# Altium PCB Main Board.PcbDoc (part 1 of 2) (continued)
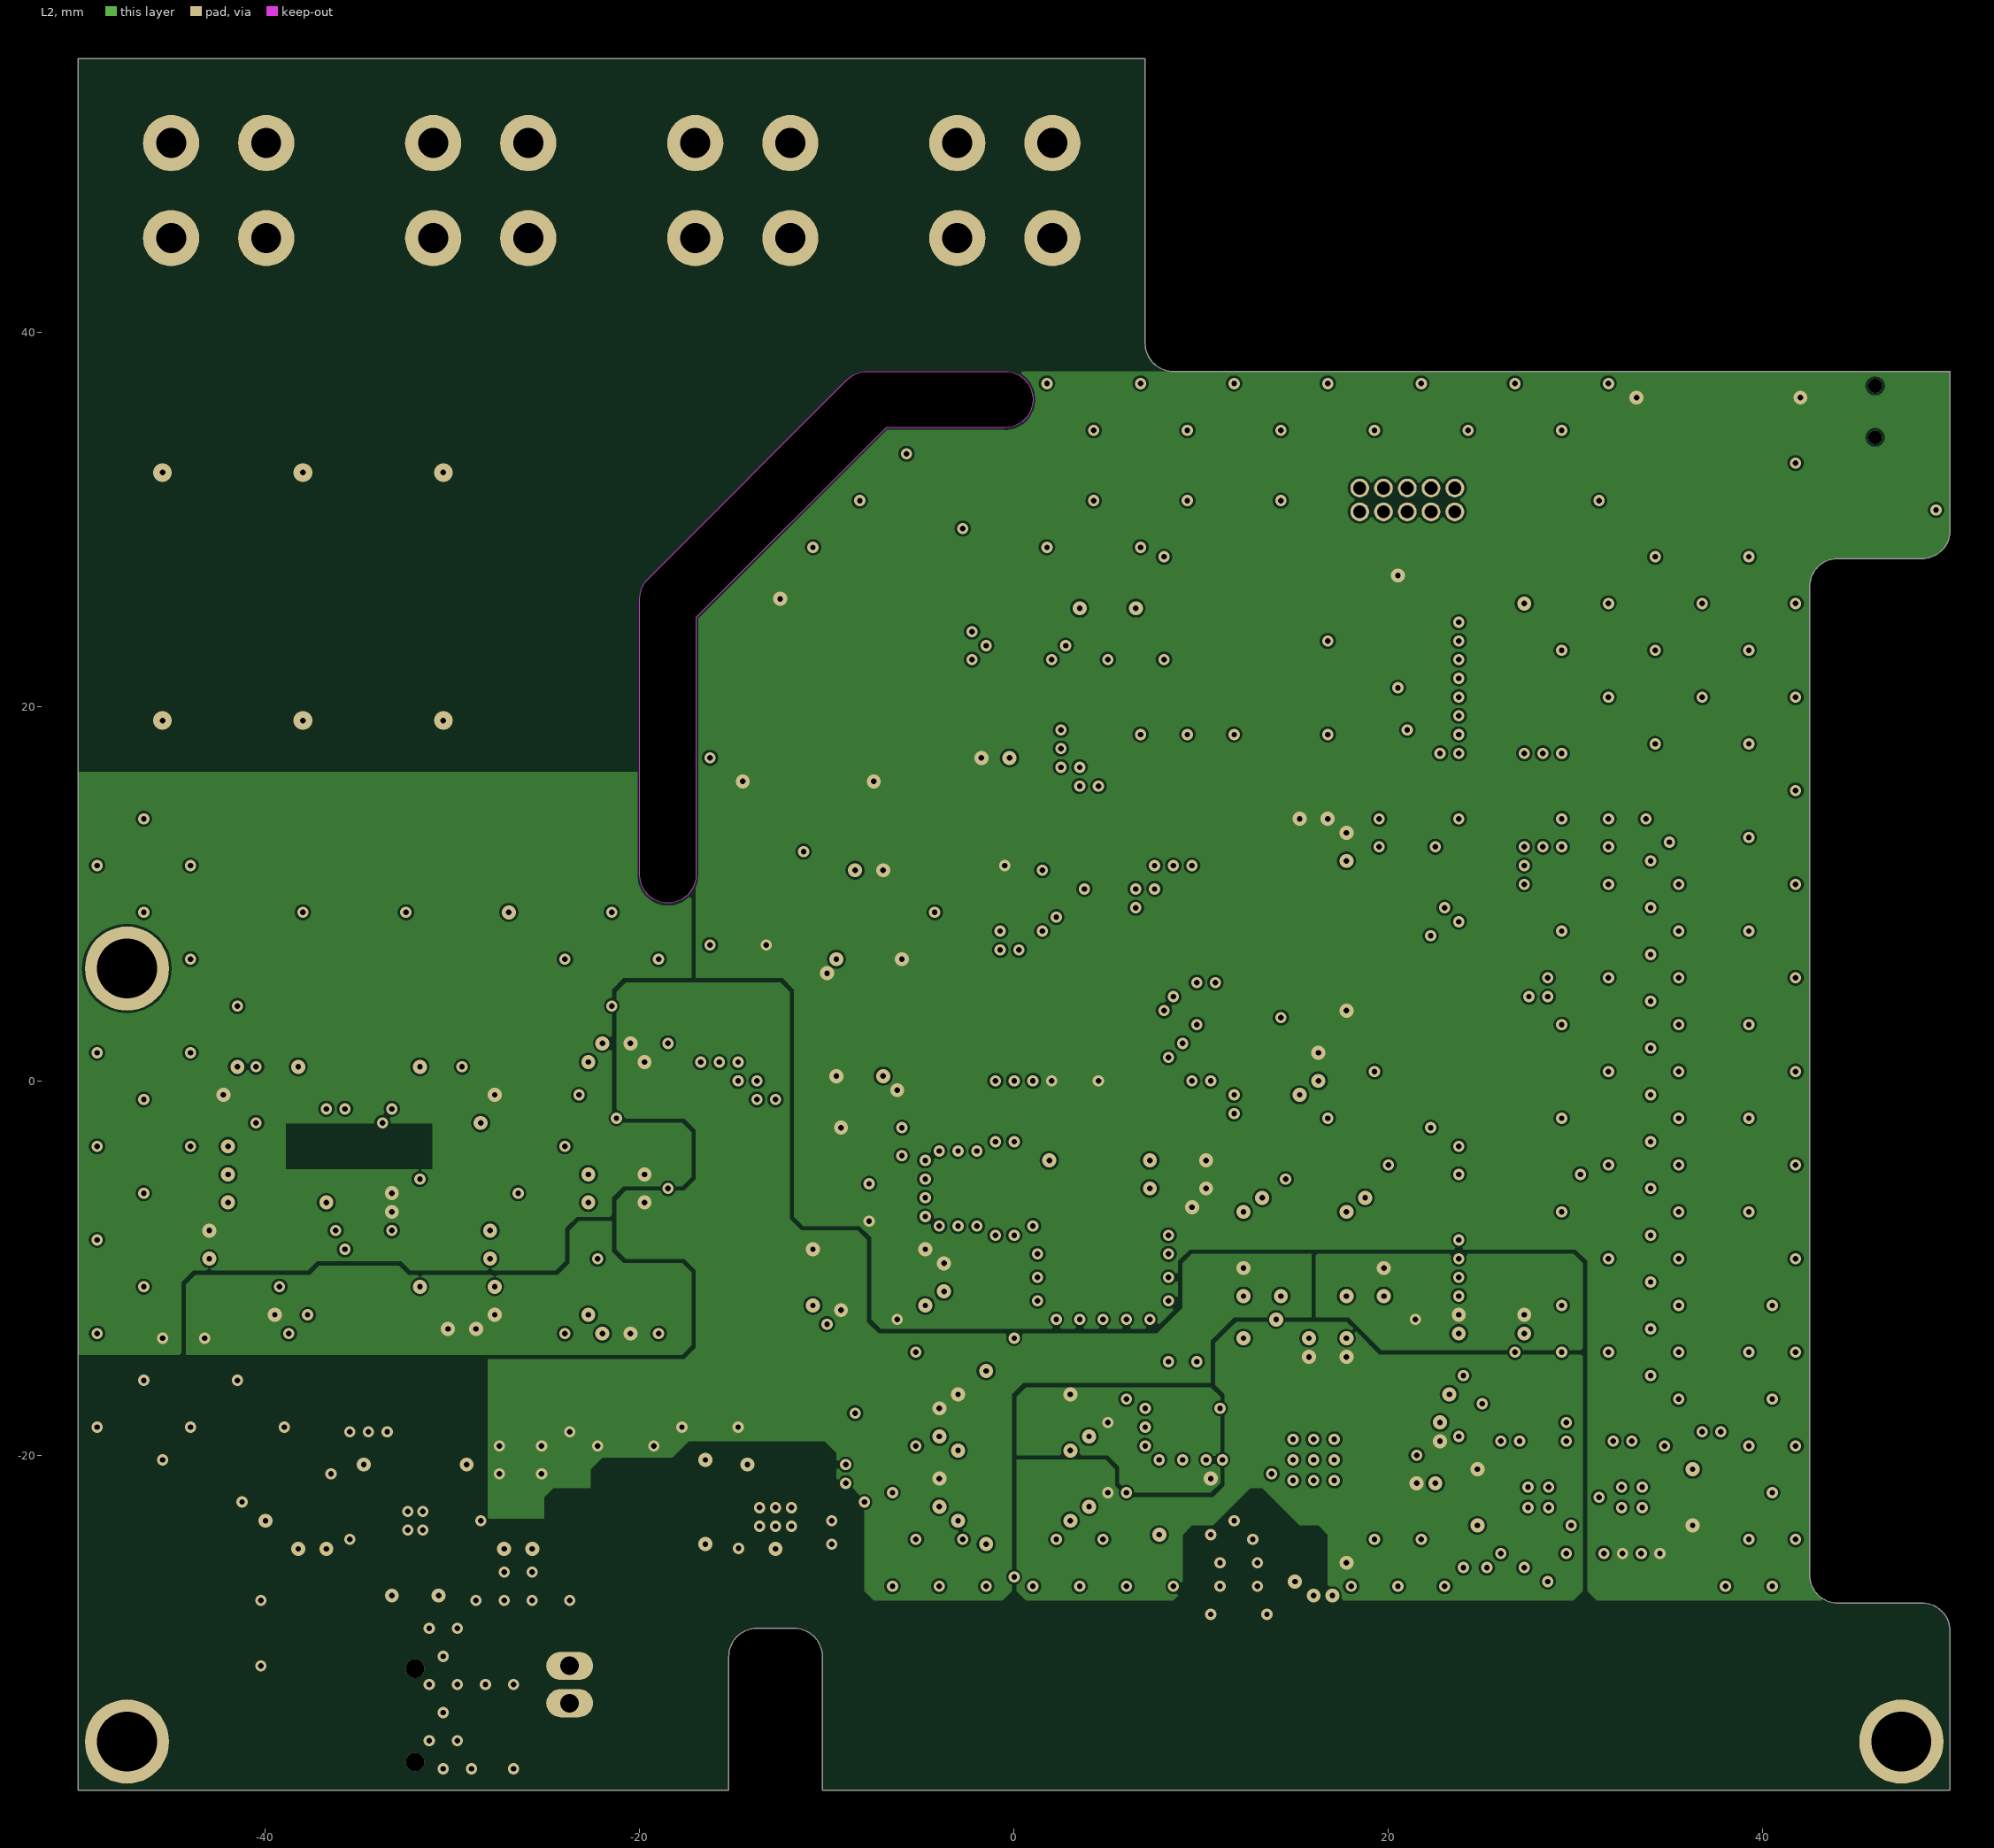
[diagram p3: L2]

## Layer stack, top to bottom
Top Solder: solder mask 0.0102, Solder Resist, Dk 3.5
Top Layer: signal copper 0.0356
Dielectric 1: core 0.2, FR-4, Dk 4.2
L1: signal copper 0.036
Dielectric 2: prepreg 1.2, FR-4, Dk 4.2
L2: signal copper 0.036
Dielectric 3: core 0.2, FR-4, Dk 4.2
Bottom Layer: signal copper 0.0356
Bottom Solder: solder mask 0.0102, Solder Resist, Dk 3.5

## Board outline
-15.25,-37.9 -15.25,-30.75 cw(c-13.75,-30.75) -13.75,-29.25 -11.75,-29.25 cw(c-11.75,-30.75) -10.25,-30.75 -10.25,-37.9 50,-37.9 50,-29.4 ccw(c48.5,-29.4) 48.5,-27.9 44,-27.9 cw(c44,-26.4) 42.5,-26.4 42.5,26.4 cw(c44,26.4) 44,27.9 48.5,27.9 ccw(c48.5,29.4) 50,29.4 50,37.9 8.5,37.9 cw(c8.5,39.4) 7,39.4 7,54.6 -50,54.6 -50,-37.9
cut-out: -20,11 -20,25.75 cw(c-18.5,25.75) -19.561,26.811 -8.911,37.461 cw(c-7.85,36.4) -7.85,37.9 -0.5,37.9 cw(c-0.5,36.4) 1,36.4 cw(c-0.5,36.4) -0.5,34.9 -6.85,34.9 -17,24.75 -17,11 cw(c-18.5,11) -18.5,9.5 cw(c-18.5,11)

## Design rules (kind name [scope] priority, off if disabled: settings)
Clearance "Fiducial Clearance" [(InPadClass('Fiducial Pads'))] p1: gap=0.75
Clearance "RL Clearance" [InNet('AFE_RL') vs InNet('RL')] p2: gap=0.25
Clearance "GDT Clearance" [InNet('RL') vs HasFootprint('2051-09-SM')] p3: gap=2
Clearance "DefibProof Clearance" [InNetClass('DefibProof')] p4: gap=4
Clearance "DefibProofGDT Clearance" [InNetClass('DefibProofGDT')] p5: gap=2
Clearance "QFN Double Row Clearance" [InComponent('U12')] p6: gap=0.125
Clearance [All] p7: gap=0.125
ComponentClearance [All] p1: gap=0.25 collisioncheckmode=3 verticalgap=0.25 showdistances=FALSE
DiffPairsRouting [All] p1: maxlimit=0.5 minlimit=0.15 mostfreqgap=0.25 toplayer_minwidth=0.15 toplayer_maxwidth=2 toplayer_prefwidth=0.25 midlayer1_minwidth=0.15 midlayer1_maxwidth=2 midlayer1_prefwidth=0.25 midlayer2_minwidth=0.15 midlayer2_maxwidth=2 midlayer2_prefwidth=0.25 bottomlayer_minwidth=0.15 bottomlayer_maxwidth=2 bottomlayer_prefwidth=0.25 maxuncoupledlength=12.7
Height [All] p1: minheight=0 maxheight=25 prefheight=10
HoleSize [All] p1: absolutevalues=TRUE maxlimit=6.3 minlimit=0.3 maxpercent=80.000 minpercent=20.000
MinimumSolderMaskSliver [All] p1: minsoldermaskwidth=0.2
PlaneClearance [All] p1: clearance=0.3
PlaneConnect [All] p1: planeconnectstyle=Relief reliefexpansion=0.5 reliefentries=4 reliefconductorwidth=0.3 reliefairgap=0.3
PolygonConnect "GND RF" [All vs (InPadClass('RF GND Pads'))] p1: connectstyle=Direct reliefconductorwidth=0.125 reliefentries=4 polygonreliefangle="90 Angle" airgapwidth=0.125
PolygonConnect "GND Via Ring" [All vs IsVia] p2: connectstyle=Direct reliefconductorwidth=0.254 reliefentries=4 polygonreliefangle="90 Angle" airgapwidth=0.254
PolygonConnect "QFN Double Row" [All vs HasFootprint('CC256x')] p3: connectstyle=Relief reliefconductorwidth=0.125 reliefentries=4 polygonreliefangle="90 Angle" airgapwidth=0.125
PolygonConnect Default [All] p4: connectstyle=Relief reliefconductorwidth=0.25 reliefentries=4 polygonreliefangle="90 Angle" airgapwidth=0.15
RoutingVias [All] p1: holewidth=0.3 width=0.6 viastyle="Through Hole" minholewidth=0.3 minwidth=0.6 maxholewidth=6.3 maxwidth=8
SolderMaskExpansion [All] p1: expansion=0.102
Width [All] p1: maxlimit=2 minlimit=0.125 preferedwidth=0.25
23 further rules are at their usual default settings.

## Classes and differential pairs
pad class "Fiducial Pads": Free-FID1 Free-FID2 Free-FID3
pad class "RF GND Pads": ANT1-2 F1-1 F1-3 U12-A10 U12-A11 U12-B9 U12-B10
net class "50 Ohm Line": BT_OUT NetANT1_1 NetC40_2
component class U_AFE: C1 C2 C3 C4 C5 C6 C7 C8 C9 C10 C11 C12 C13 C14 C15 C16 D1 D2 D3 D4 D5 JE1 JE2 JE3 JE4 N1 N2 N3 R1 R2 R3 R4 R5 R6 R7 R8 R9 R10 R11 R12 R13 R14 U1
component class U_Battery: C17 C18 C19 C20 C21 C22 C23 C24 C25 C26 J1 J2 Q1 Q2 R15 R16 R17 R18 R19 R20 R21 R22 R23 R24 R25 R26 R27 R28 R29 R30 R31 R32 U2 U3
component class U_MCU: C59 C60 C61 C62 C63 C64 C65 C66 C67 C68 C69 C70 C71 C72 J4 R47 R48 R49 R50 R51 R52 R53 R54 SW1 SW2 U13 X1 X2
component class U_RF: ANT ANT1 C40 C41 C42 C43 C44 C45 C46 C47 C48 C49 C50 C51 C52 C53 C54 C55 C56 C57 C58 F1 U10 U11 U12 X3
component class "U_User Interface": D6 D7 J3 Q3 Q4 Q5 Q6 R38 R39 R40 R41 R42 R43 R44 R45 R46 Z1
component class "U_Voltage Regulation": C27 C28 C29 C30 C31 C32 C33 C34 C35 C36 C37 C38 C39 R33 R34 R35 R36 R37 U4 U5 U6 U7 U8 U9
net class FSMC_D[15..0]: FSMC_D0 FSMC_D1 FSMC_D2 FSMC_D3 FSMC_D4 FSMC_D5 FSMC_D6 FSMC_D7 FSMC_D8 FSMC_D9 FSMC_D10 FSMC_D11 FSMC_D12 FSMC_D13 FSMC_D14 FSMC_D15
net class DefibProof: LA LL RA
net class DefibProofGDT: NetN1_2 NetN2_2 NetN3_2
differential pair X2: +X2_P -X2_N
differential pair X1: +X1_P -X1_N
differential pair FG_SR: +FG_SR_P -FG_SR_N

## Components (designator, comment, footprint, x,y, rotation, side; value= is the part's Value field where it differs from the comment)
ANT1 "2.4 GHz F-antenna" "Antenna Inverted F 2.4 GHz" 12,-30.5 r0 top net-tie
C1 "1n" C0603 -33.75,2.25 r0 top
C2 "1n" C0603 -36.25,2.25 r0 top
C3 "47p" C0603 -32.5,-0.25 r180 top
C4 "47p" C0603 -35,-0.25 r180 top
C5 "47p" C0603 -37.5,-0.25 r0 top
C6 "1.5n" C0603 -29.5,-5 r0 top
C7 "4.7n" C0603 -31.75,-3.5 r270 top
C8 "4.7n" C0603 -38.25,-3.5 r90 top
C9 "1u" C0603 -42,-8.75 r90 top
C10 "0.1u" C0603 -40.5,-8.75 r90 top
C11 "1u" C0603 -28.75,-11.75 r270 top
C12 "0.1u" C0603 -30.25,-11.75 r270 top
C13 "10u" C0603 -40.5,-3.5 r0 top
C14 "0.1u" C0603 -40.5,-5 r0 top
C15 "1u" C0603 -29.5,-8 r180 top
C16 "1u" C0603 -40.5,-6.5 r0 top
C17 "1u" C0603 -12.75,-20.5 r0 top
C18 "0.1u" C0603 -19.25,-22.5 r270 top
C19 "0.1u" C0603 -17.25,-23.75 r180 top
C20 "0.1u" C0603 -17.25,-21.25 r0 top
C21 "0.47u" C0603 -11.5,-26 r0 top
C22 "1u" C0603 -38.25,-23.5 r90 top
C23 "0.1u" C0603 -36.75,-23.5 r90 top
C24 "0.1u" C0603 -27.25,-23.5 r90 top
C25 "1u" C0603 -25.75,-23.5 r90 top
C26 "470p" C0603 -10.25,-14 r180 top
C27 "1u" C0603 -10.75,-10.5 r90 top
C28 "1u" C0603 -4.75,-10.5 r90 top
C29 "1u" C0603 13.25,-10.75 r90 top
C30 "1u" C0603 18.75,-10.75 r90 top
C31 "0.1u" C0603 18.75,-7.75 r270 top
C32 "1u" C0603 -3,-18.25 r90 top
C33 "1u" C0603 3,-18.25 r90 top
C34 "1u" C0603 -3,-22 r90 top
C35 "1u" C0603 3,-22 r90 top
C36 "1u" C0603 -21.25,-6.5 r0 top
C37 "1u" C0603 -21.25,-12.5 r0 top
C38 "1u" C0603 -21.25,1 r0 top
C39 "1u" C0603 -21.25,-5 r0 top
C40 "22p" C0402 12,-25.75 r270 top
C41 "0.1u" C0603 36.25,-22.25 r270 top
C42 "0.1u" C0603 24.75,-22.25 r90 top
C43 "12p" C0402 9.75,-16.25 r270 top
C44 "12p" C0402 8.25,-16.25 r270 top
C45 "1u" C0402 9,-21.25 r0 top
C46 "1u" C0402 9,-24.25 r0 top
C47 "0.1u" C0402 13,-14.25 r270 top
C48 "0.1u" C0402 14,-26.25 r90 top
C49 "0.1u" C0402 9,-23.25 r0 top
C50 "0.1u" C0402 9,-22.25 r0 top
C51 "0.1u" C0402 17,-26.25 r90 top
C52 "0.1u" C0402 17,-14.25 r270 top
C53 "0.1u" C0402 15,-14.25 r270 top
C54 "0.1u" C0402 22,-22.25 r180 top
C55 "0.1u" C0402 22,-18.75 r270 top
C56 "0.1u" C0402 14,-14.25 r270 top
C57 "0.47u" C0402 22,-16.75 r180 top
C58 "0.47u" C0402 16,-26.25 r90 top
C59 "10n" C0603 44.5,31.5 r270 top
C60 "10u" C0603 15.25,12.5 r90 top
C61 "0.1u" C0603 16.75,12.5 r90 top
C62 "0.1u" C0603 -1,16.25 r180 top
C63 "0.1u" C0603 -5.25,0.25 r270 top
C64 "0.1u" C0603 15.25,0.75 r90 top
C65 "0.1u" C0603 3,-5 r270 top
C66 "1u" C0603 8.75,-5.75 r0 top
C67 "0.1u" C0603 8.75,-4.25 r0 top
C68 "6p" C0603 -3,-5 r0 top
C69 "6p" C0603 -3,-6.5 r0 top
C70 "10p" C0603 6,-7.5 r180 top
C71 "10p" C0603 3.5,-7.5 r0 top
C72 "10n" C0603 6,-5 r90 top
D1 "BAS70DW-04" BAS70DW-04 -29.5,-0.75 r0 top
D2 "BAS70DW-04" BAS70DW-04 -40.5,-0.75 r180 top
D3 "PESD5V0X1" PESD5V0X1BT -29.5,9.5 r270 top
D4 "PESD5V0X1" PESD5V0X1BT -35,9.5 r270 top
D5 "PESD5V0X1" PESD5V0X1BT -40.5,9.5 r270 top
D6 "BAS16L" BAS16L -13.5,24.5 r90 top
D7 "OVSRRGBCC3" OVSRRGBCC3/SIDE 36,37.9 r270 top locked
F1 "LFB212G45SG8A127" LFB212G45SG8A127 12,-28.5 r270 top
J1 "JST PH 2 Pin" S2B-PH-K-S -17.5,-32.25 r90 top
J2 "PJ-018H-SMT" PJ-018H-SMT -32,-37.9 r90 top
J3 "FFC 40 Pin" ER-CON40HB-2 32,6 r270 top
J4 "JTAG 10 Pin" 3220-10-0200-00 21,37.9 r0 top
JE1 "Banana Jack" CT3151-6 -14.5,69 r0 top
JE2 "Banana Jack" CT3151-6 -28.5,69 r0 top
JE3 "Banana Jack" CT3151-6 -42.5,69 r0 top
JE4 "Banana Jack" CT3151-6 -0.5,69 r0 top
N1 "GDT" 2051-09-SM -27.5,24.75 r270 top
N2 "GDT" 2051-09-SM -35,24.75 r270 top
N3 "GDT" 2051-09-SM -42.5,24.75 r270 top
Q1 "DMP3056L" DMP3056L -41.25,-23.5 r180 top
Q2 "BSS84" BSS84 -7.75,-6.5 r0 top
Q3 "2N7002P" 2N7002P -8.25,26 r180 top
Q4 "2N7002P" 2N7002P 14.75,28.5 r0 top
Q5 "2N7002P" 2N7002P 14.75,24.5 r0 top
Q6 "2N7002P" 2N7002P 14.75,20.5 r0 top
R1 "22k" R2512 -27.5,35.5 r270 top
R2 "22k" R2512 -35,35.5 r270 top
R3 "22k" R2512 -42.5,35.5 r270 top
R4 "22k" R2512 -27.5,16.5 r270 top
R5 "22k" R2512 -35,16.5 r270 top
R6 "22k" R2512 -42.5,16.5 r270 top
R7 "47k" R0603 -32.5,4.75 r180 top
R8 "47k" R0603 -35,5.25 r270 top
R9 "47k" R0603 -37.5,4.75 r0 top
R10 "0" R0603 -26.5,4.75 r0 top
R11 "1M" R0603 -29.5,-3.5 r0 top
R12 "100k" R0603 -29.5,-6.5 r0 top
R13 "100" R0603 -40.5,-11.75 r90 top
R14 "100" R0603 -29.5,-9.5 r0 top
R15 "0.01" R1206 -23.75,-22.5 r90 top
R16 "100" R0603 -21.25,-23.75 r0 top
R17 "100" R0603 -21.25,-21.25 r0 top
R18 "10k" R0603 -8.5,0.25 r270 top
R19 "10k" R0603 -7,7.25 r90 top
R20 "10k" R0603 -7,9.75 r270 top
R21 "1M" R0603 -14,-26 r0 top
R22 "1M" R0603 -8.5,7.25 r270 top
R23 "1M" R0603 -8.5,9.75 r90 top
R24 "1.2k" R0603 -33.25,-20.5 r180 top
R25 "0" R0603 -30.75,-26.5 r0 top
R26 "2k" R0603 -33.25,-26.5 r180 top
R27 "10k" R0603 -30.75,-20.5 r0 top
R28 "100k" R0603 -10.75,-6.5 r90 top
R29 "100k" R0603 -7.75,-4 r180 top
R30 "4.7M" R0603 -7.75,-15.5 r180 top
R31 "100k" R0603 -7.75,-2.5 r0 top
R32 "100k" R0603 -10.25,-15.5 r0 top
R33 "1M" R0603 13.25,-7.75 r90 top
R34 "1M" R0603 0,-15.5 r180 top
R35 "1M" R0603 0,-24.75 r180 top
R36 "1M" R0603 -18.5,-9.5 r90 top
R37 "1M" R0603 -18.5,-2 r90 top
R38 "0" R0603 -8.25,23.25 r180 top
R39 "0" R0603 -5.25,26.25 r270 top
R40 "100k" R0603 -5.25,23.75 r270 top
R41 "680" R0603 34.5,34 r90 top
R42 "220" R0603 36,34 r270 top
R43 "220" R0603 37.5,34 r90 top
R44 "100k" R0603 12,28.5 r270 top
R45 "100k" R0603 12,24.5 r270 top
R46 "100k" R0603 12,20.5 r270 top
R47 "0" R0603 19.75,28 r180 top
R48 "10k" R0603 22.25,28 r0 top
R49 "100k" R0603 47.5,31.5 r90 top
R50 "100k" R0603 46,31.5 r270 top
R51 "10k" R0603 16,4.5 r0 top
R52 "10k" R0603 16,3 r180 top
R53 "10k" R0603 -8.5,4.75 r270 top
R54 "10k" R0603 -7,4.75 r90 top
SW1 "WS-TASU 436331045822" "WS-TASU 436331045822" 46,37.5 r180 top
SW2 "EVQ-Q2K01W" EVQ-Q2K01W 5,23.25 r180 top
U1 "ADS1292" ADS129x -35,-7.75 r270 top
U2 "BQ27441DRZR-G1A" BQ27441DRZx-G1A -12.75,-23.3 r180 top
U3 "BQ24090" BQ24090 -32,-23.5 r0 top
U4 "LP5907-3.3" LP5907 -7.75,-10.5 r0 top
U5 "TPS73633" TPS73633 16,-9.25 r180 top
U6 "LP5907-3.3" LP5907 0,-18.25 r0 top
U7 "LP5907-1.8" LP5907 0,-22 r0 top
U8 "LP5907-3.3" LP5907 -21.25,-9.5 r270 top
U9 "LP5907-3.3" LP5907 -21.25,-2 r270 top
U10 "SN74LV4T125" SN74LV4T125 33,-22.25 r180 top
U11 "SN74LV4T125" SN74LV4T125 28,-22.25 r0 top
U12 "CC2560A" CC256x 16,-20.25 r0 top
U13 "STM32L162VDT6" STM-LQFP100_N 5,6 r90 top
X1 "ABM3B-16.000MHZ-10-1-U" ABM3B-16.000MHZ-10-1-U 4.75,-10.5 r180 top
X2 "ABS07-120-32.768KHZ-T" ABS07-120-32.768KHZ-T -0.5,-5.75 r90 top
X3 "NX2016SA" NX2016SA 9,-18.5 r180 top
Z1 "2.7 kHz" KSSG74B16 -11,17.25 r0 top

## Footprints (in the part's own frame and the unit in brackets; to place one, negate y for a bottom-side part, rotate by r counter-clockwise, add the part's x,y. Pads: shape width x height; smd on the part's side, far side on the other; paste and mask are expansions set on the pad)
2N7002P [mm] "Transistor - MOSFET, N-Channel, 60V, 300mA"
  rect 0.9x0.6 smd: 1(-1.15,0.95) 2(-1.15,-0.95) 3(1.15,0)
  silkscreen extent -1.28,-1.5 0.7,1.92, body extent -0.7,-1.5 0.7,1.5, height 1.1
2051-09-SM [mm] "TVS - Gas Discharge Tube"
  rect 1.5x4.2 smd: 1(-2.25,0) 2(2.25,0)
  silkscreen extent -1.1,-2 1.1,2, body extent -2.4,-1.75 2.4,1.75, height 3
3220-10-0200-00 [mm] "Conn - JTAG, Header, Male, Right Angle, 10 Pin, 1.27mm Pitch, ARM Standard"
  round 1 hole 0.7 mask+0.05: 1(-2.54,-7.5) 2(-2.54,-6.23) 3(-1.27,-7.5) 4(-1.27,-6.23) 5(0,-7.5) 6(0,-6.23) 7(1.27,-7.5) 8(1.27,-6.23) 9(2.54,-7.5) 10(2.54,-6.23)
  silkscreen extent -6.5,-5.5 6.5,-4.75, body extent -6.35,-7.7 6.35,0, height 5.1
ABM3B-16.000MHZ-10-1-U [mm] "Crystal 16 MHz"
  rect 1.8x1.2 smd: 1(-2,-1.2) 2(2,-1.2) 3(2,1.2) 4(-2,1.2)
  silkscreen extent -3.22,-2.05 3.15,2.05, body extent -2.5,-1.6 2.5,1.6, height 1.1
ABS07-120-32.768KHZ-T [mm] "DFN, 2-Leads, Body 1,50x3,20mm, Pitch 2,45mm, IPC Medium Density"
  rect 1x1.8 smd: 1(-1.25,0) 2(1.25,0)
  silkscreen extent -2,-1.15 2,1.15, body extent -1.68,-0.82 1.68,0.82, height 0.9
ADS129x [mm] "TSQFP, 32-Leads, Body 5,00x5,00mm, Pitch 0,50mm, IPC Medium Density"
  oval 1.4x0.3 smd mask+0.05: 1(-3.2,1.75) 2(-3.2,1.25) 3(-3.2,0.75) 4(-3.2,0.25) 5(-3.2,-0.25) 6(-3.2,-0.75) 7(-3.2,-1.25) 8(-3.2,-1.75) 17(3.2,-1.75) 18(3.2,-1.25) 19(3.2,-0.75) 20(3.2,-0.25) 21(3.2,0.25) 22(3.2,0.75) 23(3.2,1.25) 24(3.2,1.75)
  oval 0.3x1.4 smd mask+0.05: 9(-1.75,-3.2) 10(-1.25,-3.2) 11(-0.75,-3.2) 12(-0.25,-3.2) 13(0.25,-3.2) 14(0.75,-3.2) 15(1.25,-3.2) 16(1.75,-3.2) 25(1.75,3.2) 26(1.25,3.2) 27(0.75,3.2) 28(0.25,3.2) 29(-0.25,3.2) 30(-0.75,3.2) 31(-1.25,3.2) 32(-1.75,3.2)
  silkscreen extent -2.87,-2.1 2.1,2.38, body extent -2.5,-2.5 2.5,2.5, height 1.2
"Antenna Inverted F 2.4 GHz" [mm] "Antenna - Inverted F 2.4 GHz"
  rect 0.46x0.46 smd paste-1.2: 1(0,-0.23)
  rect 1.2x0.46 smd paste-1.2: 2(-3.28,-0.23) 2(-1.28,-0.23)
  Top Layer region: -0.68,-0.46 -0.68,-2.03 -8.68,-2.03 -8.68,-4.7 -2.88,-4.7 -2.88,-3.9 -3.88,-3.9 -3.88,-2.69 -0.68,-2.69 -0.23,-2.24 -0.23,-0.46 0.23,-0.46 0.23,-2.435 -0.68,-3.34 -0.68,-3.9 -1.68,-3.9 -1.68,-5.7 14.72,-5.7 14.72,-6.91 -10.86,-6.91 -10.86,-0.74 -3.88,-0.74 -3.88,-0.46 -2.68,-0.46 -2.68,-0.74 -1.88,-0.74 -1.88,-0.46
BAS16L [mm] "Diode - Switching diode, 1 V, 200 mA"
  rect 0.95x0.6 smd: 1(-1.175,0.95) 2(-1.175,-0.95) 3(1.175,0)
  silkscreen extent -1.3,-1.5 0.7,1.92, body extent -0.7,-1.5 0.7,1.5, height 1.1
BAS70DW-04 [mm] "SOT23, 6-Leads, Body 2,00x2,10mm, Pitch 0,65mm, IPC Medium Density"
  rect 0.8x0.4 smd mask+0.05: 1(-0.95,0.65) 2(-0.95,0) 3(-0.95,-0.65) 4(0.95,-0.65) 5(0.95,0) 6(0.95,0.65)
  silkscreen extent -1.07,-1.1 0.3,1.52, body extent -0.67,-1.1 0.67,1.1, height 1.1
BQ24090 [mm] "TSSOP, 10-Leads, Body 3,00x3,00mm, Pitch 0,50mm, Thermal Pad 1,88x1,57mm, IPC Medium Density"
  oval 1.35x0.3 smd mask+0.05: 1(-2.225,1) 2(-2.225,0.5) 3(-2.225,0) 4(-2.225,-0.5) 5(-2.225,-1) 6(2.225,-1) 7(2.225,-0.5) 8(2.225,0) 9(2.225,0.5) 10(2.225,1)
  rect 1.57x1.88 smd mask+0.05: Pad(0,0)
  silkscreen extent -2.35,-1.55 1.15,1.82, body extent -1.55,-1.55 1.55,1.55, height 1.1
BQ27441DRZx-G1A [mm] "SON, 12-Leads, Body 4x2.5mm, Pitch 0.4mm, Thermal Pad 1.95x2.45mm, TI Recommended"
  oval 0.85x0.2 smd paste-0.1 mask+0.05: 1(-1.975,1) 2(-1.975,0.6) 3(-1.975,0.2) 4(-1.975,-0.2) 5(-1.975,-0.6) 6(-1.975,-1) 7(1.975,-1) 8(1.975,-0.6) 9(1.975,-0.2) 10(1.975,0.2) 11(1.975,0.6) 12(1.975,1)
  rect 2.45x1.95 smd paste-0.975 mask+0.05: 13(0,0)
  Top Layer region: -1.225,-1.65 -1.225,1.65 -0.975,1.65 -0.975,0.975 0.975,0.975 0.975,1.65 1.225,1.65 1.225,-1.65 0.975,-1.65 0.975,-0.975 -0.975,-0.975 -0.975,-1.65
  silkscreen extent -2.52,-1.45 2.07,1.5, body extent -2.07,-1.3 2.08,1.3, height 1
BSS84 [mm] "Transistor - MOSFET, P-Channel, 50V, 130mA"
  rect 0.9x0.6 smd: 1(-1.15,0.95) 2(-1.15,-0.95) 3(1.15,0)
  silkscreen extent -1.27,-1.5 0.7,1.92, body extent -0.7,-1.5 0.7,1.5, height 1.1
C0402 [mm] "Chip Capacitor, 2-Leads, Body 1,00x0,50mm, IPC Medium Density"
  rect 0.64x0.64 smd mask+0.05: 1(-0.45,0) 2(0.45,0)
  body extent -0.5,-0.25 0.5,0.25, height 0.5
C0603 [mm] "Chip Capacitor, 2-Leads, Body 1,55x0,85mm, IPC Medium Density"
  rect 0.72x1 smd: 1(-0.69,0) 2(0.69,0)
  body extent -0.8,-0.48 0.8,0.47, height 0.5
CC256x [mm] "Double Row QFN, 76-Leads, Body 8,00x8,00mm, Pitch 0,60mm, Thermal Pad 3,40x3,40mm, IPC Low Density"
  oval 0.65x0.2 smd mask+0.07: A1(-4.025,2.7) A2(-4.025,2.1) A3(-4.025,1.5) A4(-4.025,0.9) A5(-4.025,0.3) A6(-4.025,-0.3) A7(-4.025,-0.9) A8(-4.025,-1.5) A9(-4.025,-2.1) A10(-4.025,-2.7) A21(4.025,-2.7) A22(4.025,-2.1) A23(4.025,-1.5) A24(4.025,-0.9) A25(4.025,-0.3) A26(4.025,0.3) A27(4.025,0.9) A28(4.025,1.5) A29(4.025,2.1) A30(4.025,2.7) B1(-3.125,2.4) B2(-3.125,1.8) B3(-3.125,1.2) B4(-3.125,0.6) B5(-3.125,0) B6(-3.125,-0.6) B7(-3.125,-1.2) B8(-3.125,-1.8) B9(-3.125,-2.4) B19(3.125,-2.4) B20(3.125,-1.8) B21(3.125,-1.2) B22(3.125,-0.6) B23(3.125,0) B24(3.125,0.6) B25(3.125,1.2) B26(3.125,1.8) B27(3.125,2.4)
  oval 0.2x0.65 smd mask+0.07: A11(-2.7,-4.025) A12(-2.1,-4.025) A13(-1.5,-4.025) A14(-0.9,-4.025) A15(-0.3,-4.025) A16(0.3,-4.025) A17(0.9,-4.025) A18(1.5,-4.025) A19(2.1,-4.025) A20(2.7,-4.025) A31(2.7,4.025) A32(2.1,4.025) A33(1.5,4.025) A34(0.9,4.025) A35(0.3,4.025) A36(-0.3,4.025) A37(-0.9,4.025) A38(-1.5,4.025) A39(-2.1,4.025) A40(-2.7,4.025) B10(-2.4,-3.125) B11(-1.8,-3.125) B12(-1.2,-3.125) B13(-0.6,-3.125) B14(0,-3.125) B15(0.6,-3.125) B16(1.2,-3.125) B17(1.8,-3.125) B18(2.4,-3.125) B28(2.4,3.125) B29(1.8,3.125) B30(1.2,3.125) B31(0.6,3.125) B32(0,3.125) B33(-0.6,3.125) B34(-1.2,3.125) B35(-1.8,3.125) B36(-2.4,3.125)
  rect 3.4x3.4 smd mask+0.07: Pad(0,0)
  silkscreen extent -4.12,-2 2,4.12, body extent -4.05,-4.05 4.05,4.05, height 0.9
CT3151-6 [mm] "Conn - 4mm Banana Female Jack, PCB mount, Right Angle"
  round 3 hole 1.6: 1(-2.54,-23.98) 1(-2.54,-18.9) 1(2.54,-23.98) 1(2.54,-18.9)
  silkscreen extent -2.5,-23.94 2.5,-18.94, body extent -6.73,-24.8 6.73,3, height 14.34
DMP3056L [mm] "SOT23, 3-Leads, Body 2,92x2,50mm, Pitch 0,95mm, IPC Medium Density"
  rect 0.95x0.65 smd: 1(-1.235,0.95) 2(-1.235,-0.95) 3(1.235,0)
  silkscreen extent -1.36,-1.5 0.76,1.95, body extent -0.76,-1.52 0.76,1.52, height 1.12
ER-CON40HB-2 [mm] "Conn - FFC/FPC, 40 Pin, 1.0mm Pitch, ZIF"
  rrect50% 0.6x2 smd: 1(-19.5,-6.3) 2(-18.5,-6.3) 3(-17.5,-6.3) 4(-16.5,-6.3) 5(-15.5,-6.3) 6(-14.5,-6.3) 7(-13.5,-6.3) 8(-12.5,-6.3) 9(-11.5,-6.3) 10(-10.5,-6.3) 11(-9.5,-6.3) 12(-8.5,-6.3) 13(-7.5,-6.3) 14(-6.5,-6.3) 15(-5.5,-6.3) 16(-4.5,-6.3) 17(-3.5,-6.3) 18(-2.5,-6.3) 19(-1.5,-6.3) 20(-0.5,-6.3) 21(0.5,-6.3) 22(1.5,-6.3) 23(2.5,-6.3) 24(3.5,-6.3) 25(4.5,-6.3) 26(5.5,-6.3) 27(6.5,-6.3) 28(7.5,-6.3) 29(8.5,-6.3) 30(9.5,-6.3) 31(10.5,-6.3) 32(11.5,-6.3) 33(12.5,-6.3) 34(13.5,-6.3) 35(14.5,-6.3) 36(15.5,-6.3) 37(16.5,-6.3) 38(17.5,-6.3) 39(18.5,-6.3) 40(19.5,-6.3)
  rrect50% 2x2.5 smd: ""(-22.3,-4.15) ""(22.3,-4.15)
  silkscreen extent -23.75,-8.17 23.75,0.2, body extent -23.5,-6.8 23.5,0, height 2.5
EVQ-Q2K01W [mm] "Switch - Tactile, Off-Mom, SPST"
  rrect50% 2x1 smd: 1(-3.125,-2) 2(3.125,-2) 3(3.125,2) 4(-3.125,2)
  silkscreen extent -3.5,-1 3.5,1, body extent -3.5,-3 3.5,3, height 2
KSSG74B16 [mm] "Transductor - Buzzer 2.7 kHz"
  rrect50% 2.5x2.5 smd paste-0.25: 1(-3.5,-3.5) 1(3.5,-3.5) 2(-3.5,3.5) 2(3.5,3.5)
  silkscreen extent -4.5,-5.37 4.5,4.5, body extent -4.25,-4.25 4.25,4.25, height 3
LFB212G45SG8A127 [mm] "Filter - RF 2.4 GHz"
  rect 1.75x0.6 smd mask+0.05: 1(0,0.7) 3(0,-0.7)
  rect 0.6x0.4 smd mask+0.05: 2(1,0) 4(-1,0)
  silkscreen extent -1.2,-0.5 -1.1,-0.4, body extent -1.01,-0.63 1.01,0.63, height 1
LP5907 [mm] "SOT23, 5-Leads, Body 2,90x2,80mm, Pitch 0,95mm, IPC Medium Density"
  rect 1x0.6 smd: 1(-1.375,0.95) 2(-1.375,0) 3(-1.375,-0.95) 4(1.375,-0.95) 5(1.375,0.95)
  silkscreen extent -1.5,-1.55 0.5,1.92, body extent -0.88,-1.52 0.87,1.53, height 1.45
NX2016SA [mm] "Crystal - 26 MHz"
  rect 0.85x0.75 smd mask+0.075: 1(-0.675,-0.525) 2(0.675,-0.525) 3(0.675,0.525) 4(-0.675,0.525)
  silkscreen extent -1.42,-1.15 1.35,1.15, body extent -1,-0.8 1,0.8, height 0.5
OVSRRGBCC3/SIDE [mm] "LED - RGB, Side-emmiting"
  rect 0.65x0.5 smd mask+0.075: 1(1.575,-0.4) 2(1.575,0.4)
  rect 0.8x1 smd mask+0.075: 3(1.25,1.6) 4(1.25,-1.6)
  silkscreen extent 0.75,-0.85 0.9,0.85, body extent -0.01,-1.6 1.5,1.6, height 1
PESD5V0X1BT [mm] "SOT23, 3-Leads, Body 2,90x2,30mm, Pitch 0,95mm, IPC Medium Density"
  rect 0.9x0.6 smd: 1(-1.15,0.95) 2(-1.15,-0.95) 3(1.15,0)
  silkscreen extent -1.27,-1.5 0.7,1.93, body extent -0.7,-1.5 0.7,1.5, height 1.1
PJ-018H-SMT [mm] "Conn - DC Power, Male, PCB, 4.0 mmOD / 1.7 mmID"
  rrect50% 2.8x1.7 smd: 1(3.4,4.55) 1(7.9,4.55)
  rrect50% 2.8x2.6 smd: 2(3.4,-4.1) 3(7.9,-4.1)
  silkscreen extent 0.3,-4.6 6.1,4.8, body extent 0,-5 9.3,5, height 5.5
R0603 [mm] "Chip Resistor, 2-Leads, Body 1,55x0,85mm, IPC Medium Density"
  rect 0.65x0.95 smd: 1(-0.675,0) 2(0.675,0)
  body extent -0.8,-0.48 0.8,0.48, height 0.5
R1206 [mm] "Chip Resistor, 2-Leads, Body 3,20x1,60mm, IPC Medium Density"
  rect 1.25x1.8 smd: 1(-1.425,0) 2(1.425,0)
  silkscreen extent -0.4,-0.8 0.4,0.8, body extent -1.7,-0.9 1.7,0.9, height 0.7
R2512 [mm] "Chip Resistor, 2-Leads, Body 6,40x3,20mm, IPC Medium Density"
  rect 1.65x3.4 smd: 1(-2.825,0) 2(2.825,0)
  silkscreen extent -1.6,-1.6 1.6,1.6, body extent -3.3,-1.7 3.3,1.7, height 0.9